# KiCad board keyboard.kicad_pcb
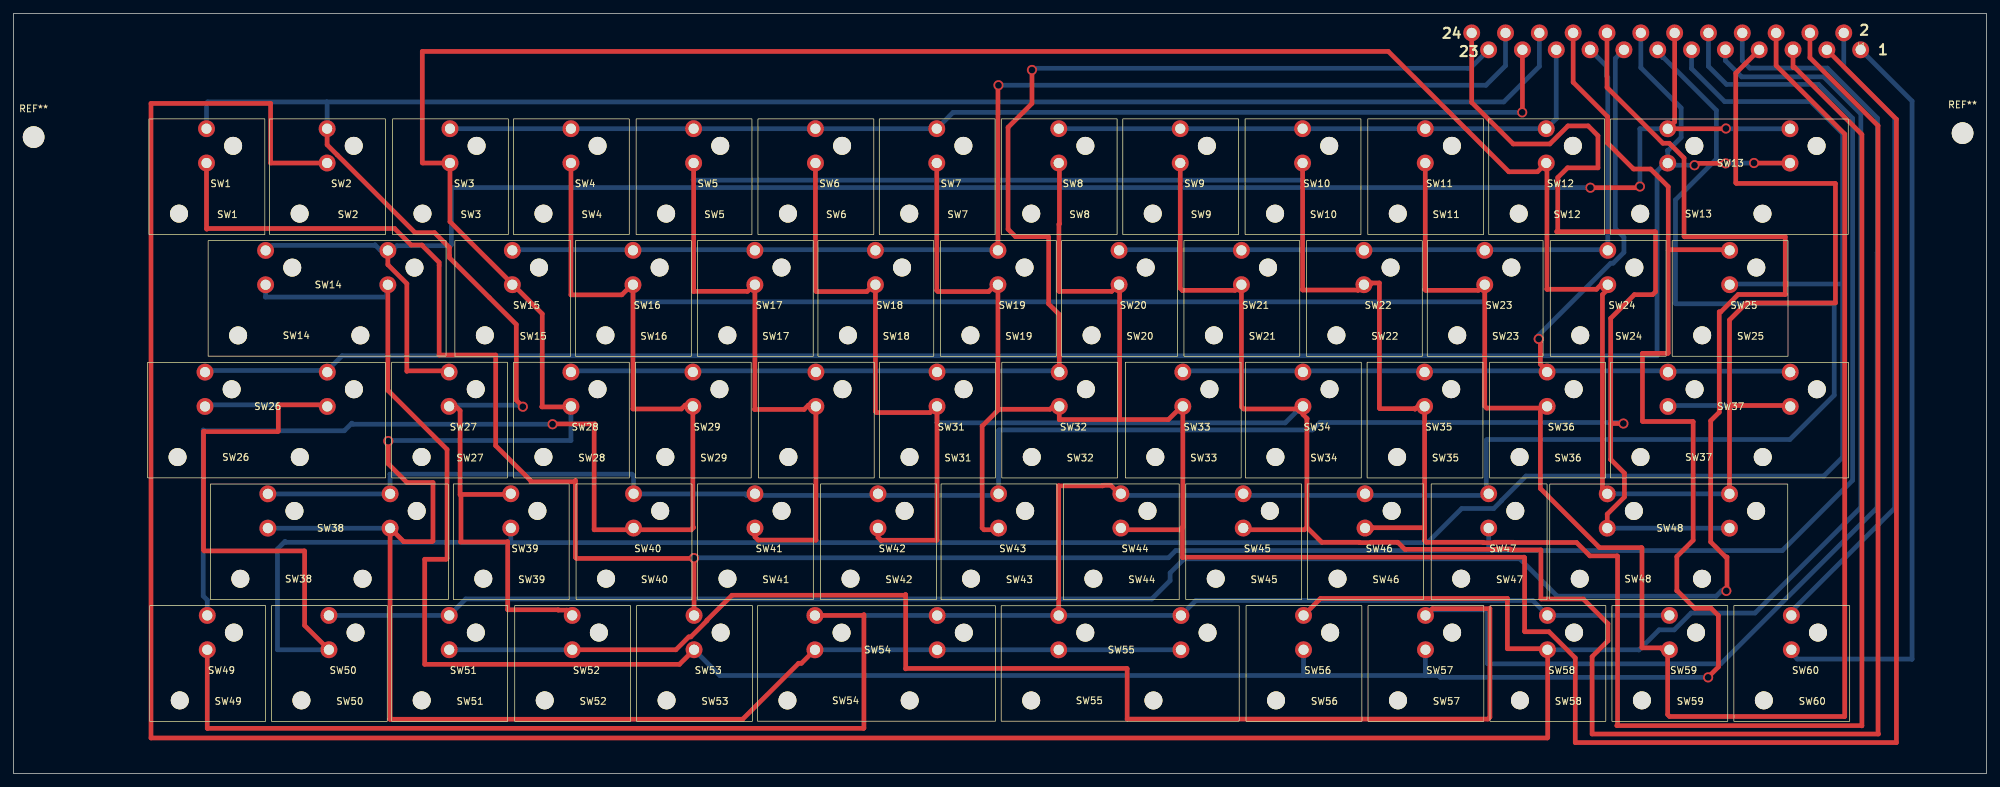
[diagram p0: board, top side]
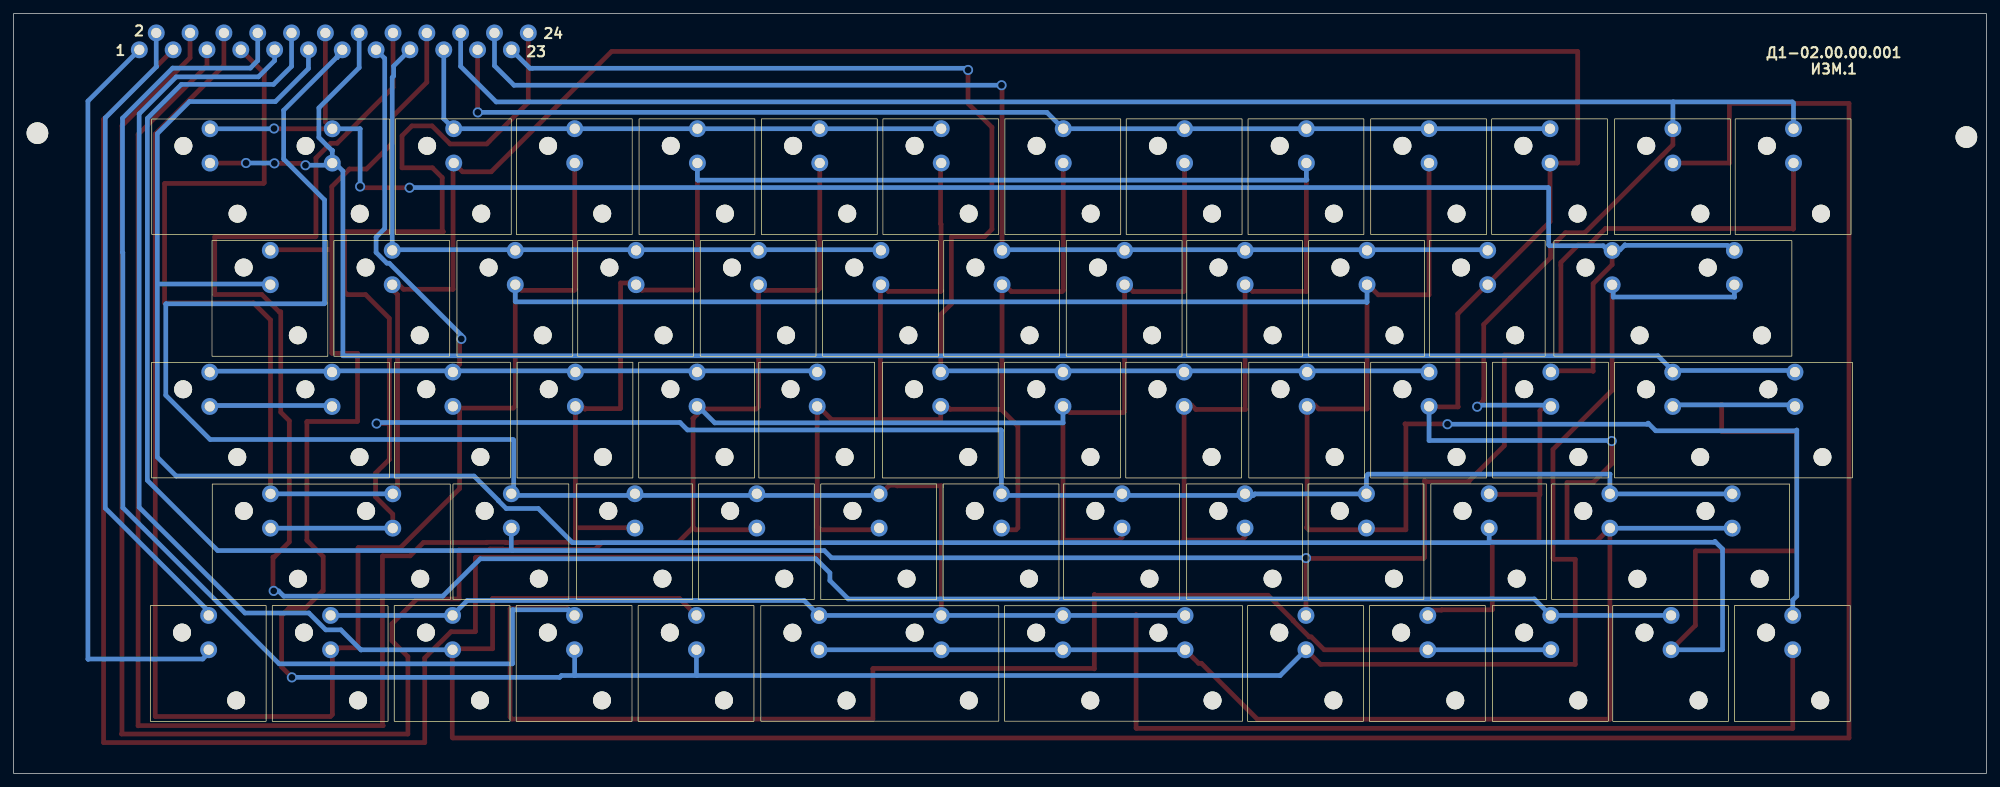
[diagram p1: board, bottom side, seen from below]

Outline 291.64 x 112.47 mm; copper layers: Top, Bottom. Coordinates in mm from the lower left corner of the outline.
Outline path: rectangle 0,112.47 291.64,0
Stack: Top 0.035mm / dielectric 1.51mm FR4 er 4.5 / Bottom 0.035mm

## Placement (name value [footprint] x y rotation side)
J1  Conn_02x12_Odd_Even  [connector]  273.05 107.1 0 top
REF**  -  [MountingHole_3.2mm_M3]  2.97 94.18 0 top
REF**#2  -  [MountingHole_3.2mm_M3]  288.11 94.77 0 top
SW1  true video  [key]  28.46 88.32 0 top
SW2  inverted video  [key]  46.29 88.32 0 top
SW3  1  [key]  64.45 88.32 0 top
SW4  2  [key]  82.33 88.32 0 top
SW5  3  [key]  100.47 88.32 0 top
SW6  4  [key]  118.48 88.32 0 top
SW7  5  [key]  136.41 88.32 0 top
SW8  6  [key]  154.44 88.32 0 top
SW9  7  [key]  172.4 88.32 0 top
SW10  8  [key]  190.49 88.32 0 top
SW11  9  [key]  208.62 88.32 0 top
SW12  0  [key]  226.5 88.32 0 top
SW13  Break  [double_key]  244.46 88.3 0 top
SW14  delete  [double_key]  37.2 70.3 0 top
SW15  q  [key]  73.67 70.31 0 top
SW16  w  [key]  91.5 70.31 0 top
SW17  e  [key]  109.52 70.31 0 top
SW18  r  [key]  127.34 70.31 0 top
SW19  t  [key]  145.45 70.31 0 top
SW20  y  [key]  163.36 70.31 0 top
SW21  u  [key]  181.44 70.31 0 top
SW22  i  [key]  199.56 70.31 0 top
SW23  o  [key]  217.41 70.31 0 top
SW24  p  [key]  235.6 70.31 0 top
SW25  graph  [key]  253.62 70.31 0 top
SW26  extended mode  [double_key]  28.24 52.29 0 top
SW27  edit  [key]  64.33 52.3 0 top
SW28  a  [key]  82.33 52.3 0 top
SW29  s  [key]  100.36 52.3 0 top
SW30  d  [key]  118.54 52.3 0 top
SW31  f  [key]  136.45 52.3 0 top
SW32  g  [key]  154.52 52.3 0 top
SW33  h  [key]  172.78 52.3 0 top
SW34  j  [key]  190.54 52.3 0 top
SW35  k  [key]  208.52 52.3 0 top
SW36  l  [key]  226.63 52.3 0 top
SW37  enter  [double_key]  244.5 52.29 0 top
SW38  caps shift left  [double_key]  37.53 34.28 0 top
SW39  caps lock  [key]  73.44 34.29 0 top
SW40  z  [key]  91.59 34.29 0 top
SW41  x  [key]  109.54 34.29 0 top
SW42  c  [key]  127.72 34.29 0 top
SW43  v  [key]  145.54 34.29 0 top
SW44  b  [key]  163.63 34.29 0 top
SW45  n  [key]  181.71 34.29 0 top
SW46  m  [key]  199.72 34.29 0 top
SW47  dot  [key]  218 34.29 0 top
SW48  caps shift right  [double_key]  235.52 34.28 0 top
SW49  symbol shift left  [key]  28.57 16.28 0 top
SW50  semicolon  [key]  46.56 16.28 0 top
SW51  quotes  [key]  64.34 16.28 0 top
SW52  left  [key]  82.52 16.28 0 top
SW53  right  [key]  100.53 16.28 0 top
SW54  left space  [double_key]  118.4 16.27 0 top
SW55  right space  [double_key]  154.43 16.27 0 top
SW56  up  [key]  190.63 16.28 0 top
SW57  down  [key]  208.65 16.28 0 top
SW58  comma  [key]  226.68 16.28 0 top
SW59  symbol shift right  [key]  244.71 16.28 0 top
SW60  rus-lat  [key]  262.74 16.28 0 top

## Library data of the parts
J1 = -: Description: Generic connector, double row, 02x12, odd/even pin numbering scheme (row 1 odd numbers, row 2 even numbers), script generated (kicad-library-utils/schlib/autogen/connector/)
SW1-SW60 = -: Description: Push button switch, generic, two pins

## Footprints (pads in the part's own frame, mm; a bottom-side part is the same pattern mirrored in y, then rotated)
connector
  round 2.5 hole 1.5: 1(0,0) 2(-2.5,2.5) 3(-5,0) 4(-7.5,2.5) 5(-10,0) 6(-12.5,2.5) 7(-15,0) 8(-17.5,2.5) 9(-20,0) 10(-22.5,2.5) 11(-25,0) 12(-27.5,2.5) 13(-30,0) 14(-32.5,2.5) 15(-35,0) 16(-37.5,2.5) 17(-40,0) 18(-42.5,2.5) 19(-45,0) 20(-47.5,2.5) 21(-50,0) 22(-52.5,2.5) 23(-55,0) 24(-57.5,2.5)
double_key
  round 2.652 hole 3.1 unplated: (-4,-5.461) (4,4.572) (14.072,-5.461) (22.073,4.572)
  round 2.5 hole 1.5: 1(0.064,2.032) 1(18.136,2.032) 2(0.064,7.112) 2(18.136,7.112)
key
  round 2.652 hole 3.1 unplated: (-4,-5.461) (4,4.572)
  round 2.5 hole 1.5: 1(0.064,2.032) 2(0.064,7.112)
MountingHole_3.2mm_M3
  round 3.2 hole 3.2 unplated: (0,0)

## Nets
Net-(J1-Pin_1): J1.1 SW60.1
Net-(J1-Pin_2): J1.2 SW60.2
Net-(J1-Pin_3): J1.3 SW7.1 SW8.1 SW19.1 SW20.1 SW32.1 SW33.1 SW43.1 SW44.1
Net-(J1-Pin_4): J1.4 SW6.1 SW9.1 SW18.1 SW21.1 SW31.1 SW34.1 SW42.1 SW45.1
Net-(J1-Pin_5): J1.5 SW5.1 SW10.1 SW17.1 SW22.1 SW30.1 SW35.1 SW41.1 SW46.1
Net-(J1-Pin_6): J1.6 SW4.1 SW11.1 SW16.1 SW23.1 SW29.1 SW36.1 SW40.1 SW49.2 SW59.1
Net-(J1-Pin_7): J1.7 SW3.1 SW12.1 SW15.1 SW24.1 SW28.1 SW37.1 SW38.1 SW48.2 SW54.1 SW55.1
Net-(J1-Pin_8): J1.8 SW51.1 SW52.1 SW57.2
Net-(J1-Pin_9): J1.9 SW2.1 SW56.2 SW58.1
Net-(J1-Pin_10): J1.10 SW1.1 SW47.1 SW53.2
Net-(J1-Pin_11): J1.11 SW25.1 SW26.1 SW39.1 SW50.1
Net-(J1-Pin_12): J1.12 SW13.2 SW14.2 SW27.2
Net-(J1-Pin_13): J1.13 SW44.2 SW45.2 SW46.2 SW47.2 SW49.1 SW54.2 SW55.2 SW58.2 SW59.2
Net-(J1-Pin_14): J1.14 SW13.1 SW26.2
Net-(J1-Pin_15): J1.15 SW33.2 SW34.2 SW35.2 SW36.2 SW37.2
Net-(J1-Pin_16): J1.16 SW50.2 SW51.2
Net-(J1-Pin_17): J1.17 SW20.2 SW21.2 SW22.2 SW23.2 SW24.2
Net-(J1-Pin_18): J1.18 SW14.1 SW25.2 SW53.1 SW56.1 SW57.1
Net-(J1-Pin_19): J1.19 SW8.2 SW9.2 SW10.2 SW11.2 SW12.2
Net-(J1-Pin_20): J1.20 SW1.2 SW2.2 SW27.1 SW39.2 SW52.2
Net-(J1-Pin_21): J1.21 SW3.2 SW4.2 SW5.2 SW6.2 SW7.2
Net-(J1-Pin_22): J1.22 SW15.2 SW16.2 SW17.2 SW18.2 SW19.2
Net-(J1-Pin_23): J1.23 SW28.2 SW29.2 SW30.2 SW31.2 SW32.2
Net-(J1-Pin_24): J1.24 SW38.2 SW40.2 SW41.2 SW42.2 SW43.2 SW48.1

## Via types
v1: diameter 1.5, hole 1, Top to Bottom, 17 vias

## Routing (per net, layer and track width the routed paths; a pad name or vN(x,y) marks a point on that pad's centre or on a via; arc(x,y) is an arc through that point)
Net-(J1-Pin_1): length 112
  Bottom w0.7: SW60.1 262.8,17.82 263.68,16.94 280.59,16.94 280.62,16.92 280.64,16.94 280.64,99.5 J1.1
Net-(J1-Pin_2): length 95.7
  Bottom w0.7: SW60.2 262.8,23.99 278.08,39.27 278.08,97.03 270.51,104.6 270.55,104.64 J1.2
Net-(J1-Pin_3): length 416.3
  Top w0.7: 145.61,36.07 143.46,36.07 143.18,36.35 143.18,51.41 145.67,53.9 ; 172.77,36.4 172.44,36.07 163.69,36.07 ; 172.77,36.4 172.85,36.47 172.85,54.51 170.71,52.37 163.45,52.37 ; 172.77,36.4 172.8,36.37 172.8,31.98 172.82,32 223.29,32 223.37,31.93 223.37,21.03 223.42,20.98 226.97,20.98 230.86,17.09 230.86,4.57 278.33,4.57 278.33,96.82 J1.3 ; 145.67,53.9 153.21,53.9 153.82,54.51 154.58,54.51 154.58,52.4 154.61,52.37 163.45,52.37 ; 145.67,53.9 145.52,54.05 145.52,72.44 145.26,72.44 144.15,71.32 136.65,71.32 136.47,71.5 SW7.1 ; 163.45,52.37 163.5,52.43 163.5,71.35 163.42,71.42 163.42,72.44 162.33,71.35 154.58,71.35 154.51,71.42 154.53,71.45 154.53,81.28 154.61,81.36 154.61,89.89 154.51,89.99 SW8.1
Net-(J1-Pin_4): length 450.5
  Top w0.7: SW6.1 118.54,71.45 118.67,71.32 126.14,71.32 127.25,72.44 127.41,72.44 127.41,53.59 127.58,53.42 135.48,53.42 136.51,54.44 136.51,54.51 136.51,34.58 136.45,34.52 128.22,34.52 127.79,34.95 127.79,36.07 ; 181.78,36.07 190.83,36.07 191.19,36.42 ; J1.4 265.55,105.93 275.62,95.86 275.62,5.89 275.67,5.84 233.35,5.84 233.35,17.3 235.69,19.63 235.69,22.17 232.03,25.83 225.83,25.83 225.78,25.88 225.78,33.09 221.33,33.09 221.2,33.21 219.31,33.21 219.26,33.17 205.67,33.17 204.62,34.22 200.62,34.22 200.57,34.17 199,34.17 198.95,34.22 193.39,34.22 191.19,36.42 ; 191.19,36.42 191.19,52.5 191.21,52.53 190.6,53.14 190.6,54.51 190.04,53.95 181.84,53.95 181.51,54.28 181.51,72.44 180.57,71.5 172.82,71.5 172.8,71.48 172.47,71.81 SW9.1
  Bottom w0.7: 136.51,54.51 136.51,51.9 136.5,51.89 187.99,51.89 190.6,54.51
Net-(J1-Pin_5): length 462.2
  Top w0.7: SW10.1 190.55,71.58 190.58,71.55 198.7,71.55 198.76,71.5 199.62,72.36 199.62,72.44 200.63,72.44 200.79,72.59 201.9,72.59 201.9,54.08 201.98,54 207.09,54 207.16,53.92 207.75,54.51 208.58,54.51 208.58,36.37 ; 109.6,36.07 109.6,35.03 110.08,34.54 118.62,34.54 118.61,34.56 118.61,54.51 117.5,54.51 116.87,53.87 109.55,53.87 109.59,53.91 109.59,72.44 108.5,71.35 100.51,71.35 100.53,71.37 SW5.1 ; 208.58,36.37 200.96,36.37 200.66,36.07 199.78,36.07 ; 208.58,36.37 208.58,34.52 208.56,34.49 208.83,34.22 217.22,34.22 217.27,34.17 218.85,34.17 218.9,34.22 221.71,34.22 221.74,34.19 231.04,34.19 233.02,32.21 237.06,32.21 237.11,32.16 237.11,7.19 237.01,7.09 273.2,7.09 273.23,7.06 273.23,94.56 263.27,104.52 263.07,104.52 263.05,104.54 J1.5
  Bottom w0.7: SW10.1 190.55,87.86 190.5,87.81 100.53,87.81 100.46,87.88 100.53,87.96 SW5.1
Net-(J1-Pin_6): length 570
  Top w0.7: SW4.1 82.4,70.84 89.92,70.84 91.52,72.44 91.57,72.44 91.57,53.95 98.73,53.95 99.29,54.51 100.42,54.51 100.42,36.49 100.51,36.4 100.18,36.07 85.85,36.07 85.83,36.09 85.83,51.61 85.95,51.74 79.73,51.74 v1(79.68,51.69) ; SW11.1 208.69,71.73 208.61,71.65 208.76,71.5 216.54,71.5 217.47,72.44 217.47,54.36 217.75,54.08 226.26,54.08 226.7,54.51 225.7,53.52 225.7,42.16 234.44,33.43 240.67,33.43 240.72,33.38 240.72,18.64 240.77,18.59 243.51,18.59 243.79,18.31 244.51,18.31 244.51,8.72 244.81,8.43 270.66,8.43 270.69,8.46 270.69,94.64 260.55,104.78 J1.6
  Bottom w0.7: 217.47,72.44 217.47,69.85 217.42,69.8 91.67,69.8 91.59,69.72 91.57,69.75 91.57,72.44 ; v1(79.68,51.69) 50.16,51.69 50.01,51.84 48.89,50.72 28.14,50.72 28.04,50.83 28.04,26.26 28.64,25.67 SW49.2
Net-(J1-Pin_7): length 668.3
  Top w0.7: SW48.2 234.87,42.1 234.87,70.87 235.66,71.65 235.66,72.44 234.77,72.44 233.98,71.65 226.7,71.65 226.67,71.68 226.67,90.25 SW12.1 225.27,89.05 221.03,89.05 203.23,106.86 60.43,106.86 60.43,90.4 60.48,90.35 SW3.1 64.52,81.66 78.16,68.02 78.16,54.33 78.11,54.28 78.13,54.25 82.14,54.25 82.4,54.51 ; 253.66,54.53 253.66,67.12 256.18,69.65 269.32,69.65 269.32,87.27 269.27,87.33 254.69,87.33 254.58,87.43 254.58,103.64 J1.7 ; 253.66,54.53 SW48.2 ; 253.66,54.53 253.73,54.46 262.64,54.46 ; v1(55.4,49.2) 55.4,45.82 58.17,43.05 62,43.05 62,34.44 61.87,34.32 57.68,34.32 55.7,36.3 55.66,36.3 55.66,8.04 55.65,8.03 107.77,8.03 116.05,16.31 116.46,16.31 118.47,18.31
  Bottom w0.7: 82.4,54.51 82.4,49.28 55.47,49.28 v1(55.4,49.2) ; SW48.2 SW48.2 ; 172.57,18.31 118.47,18.31 ; 262.64,54.46 244.56,54.46 ; 55.66,36.3 37.59,36.3
Net-(J1-Pin_8): length 371.8
  Top w0.7: SW52.1 97.91,18.31 99.81,20.21 100.1,20.21 102.5,22.61 102.5,22.68 106.19,26.38 131.76,26.38 131.85,26.47 131.88,26.44 131.88,15.49 131.93,15.54 164.57,15.54 164.62,15.49 164.62,8.05 217.96,8.05 218.24,8.33 218.24,24.41 218.21,24.38 209.75,24.38 208.76,23.39 208.7,23.39
  Bottom w0.7: SW51.1 SW52.1 ; J1.8 255.55,105.49 256.64,104.39 268.12,104.39 275.54,96.98 275.54,77.14 275.49,77.09 275.49,39.34 252.37,16.23 217.93,16.23 217.88,16.28 217.88,24.21 217.86,24.23 209.54,24.23 208.7,23.39
Net-(J1-Pin_9): length 531
  Top w0.7: SW2.1 38,90.35 38,99.14 37.97,99.16 20.32,99.16 20.32,5.26 226.72,5.26 226.78,5.32 226.78,18.31 226.52,18.31 226.36,18.47 220.83,18.47 220.83,25.91 193.21,25.91 SW56.2
  Bottom w0.7: 226.78,18.31 240.26,18.31 240.28,18.29 243.26,21.26 245.49,21.26 247.98,23.75 257.43,23.75 273.08,39.4 273.08,97.61 267.59,103.1 255.45,103.1 253.05,105.5 J1.9
Net-(J1-Pin_10): length 395.6
  Top w0.7: SW1.1 28.52,80.62 28.57,80.57 28.66,80.65 56.33,80.65 58.78,78.21 60.35,78.21 62.92,75.64 62.92,61.93 71.27,61.93 71.27,48.51 76.5,43.28 76.5,43.18 82.91,43.18 83.06,43.33 83.06,31.98 83.21,31.83 100.51,31.83 100.61,31.93 100.6,31.92 100.6,31.89 v1(100.58,31.88) 100.6,31.86 SW53.2
  Bottom w0.7: 217.93,32.99 261.47,32.99 271.86,43.38 271.86,96.95 266.83,101.98 253.21,101.98 250.55,104.65 J1.10 ; 217.93,32.99 171.81,32.99 170.74,31.93 100.61,31.93 ; 217.93,32.99 218.06,33.12 218.06,36.07
Net-(J1-Pin_11): length 444.4
  Top w0.7: 46.38,54.56 39.19,54.56 39.14,54.61 39.14,50.67 39.07,50.6 28.12,50.6 28.09,50.62 28.09,33.05 28.19,32.94 42.98,32.94 43.03,32.89 43.03,21.91 SW50.1
  Bottom w0.7: SW50.1 39.01,18.31 39.01,33.22 40.13,34.34 40.25,34.22 73.53,34.22 ; 73.51,36.22 73.51,34.24 73.53,34.22 ; 270.38,72.54 270.38,94.69 265.63,99.44 252.93,99.44 248.05,104.33 J1.11 ; 270.38,72.54 270.28,72.44 253.68,72.44 ; 270.38,72.54 270.38,46.81 267.59,44.02 223.57,44.02 219.96,40.41 219.96,40.36 218.82,39.22 214.07,39.22 209.02,34.16 73.59,34.16 73.53,34.22 ; 28.31,54.56 46.38,54.56
Net-(J1-Pin_12): length 283.3
  Top w0.7: v1(253.14,95.45) 253.1,95.42 SW13.2 245.55,96.44 J1.12 ; 55.33,77.51 55.33,75.3 58.14,72.49 58.14,59.54 58.19,59.59 64.39,59.59 ; v1(233.1,86.69) 240.23,86.69 v1(240.41,86.87)
  Bottom w0.7: v1(253.14,95.45) 253.17,95.42 SW13.2 ; 37.26,77.51 37.66,77.51 38.3,78.16 53.37,78.16 53.44,78.23 54.17,77.51 56.05,77.51 56.64,78.1 64.59,78.1 64.72,78.23 64.72,86.64 64.8,86.72 233.07,86.72 v1(233.1,86.69) ; SW13.2 240.42,95.42 240.41,95.4 v1(240.41,86.87)
Net-(J1-Pin_13): length 487.3
  Top w0.7: 154.5,23.39 154.5,42.56 154.48,42.57 161.01,42.57 161.09,42.65 162.19,42.65 163.69,41.15 ; 118.47,23.39 125.6,23.39 125.7,23.5 125.7,6.73 125.65,6.68 28.65,6.68 28.64,6.69 SW49.1
  Bottom w0.7: 163.69,41.15 218.06,41.15 218.06,41.96 217.7,42.32 217.7,49.33 217.81,49.43 262.59,49.43 269.14,55.98 269.14,69.47 269.09,69.52 245.72,69.52 245.62,69.62 245.67,69.67 245.67,84.89 251.71,90.93 251.71,98.15 243.92,105.94 243.79,105.94 243.79,106.36 J1.13 ; 118.47,23.39 172.57,23.39 174.78,25.6 224.57,25.6 226.78,23.39 244.51,23.39
Net-(J1-Pin_14): length 285.9
  Top w0.7: SW13.1 257.29,90.34 v1(257.28,90.35) ; v1(248.49,90.02) 248.77,90.3 v1(253.09,90.3)
  Bottom w0.7: v1(248.49,90.02) 244.84,90.02 SW13.1 ; SW13.1 244.13,90.34 242.95,89.15 242.95,61.82 48.56,61.82 46.38,59.64 28.31,59.64 ; SW13.1 244.53,92.18 244.5,92.2 244.58,92.2 246.51,94.13 246.51,98.5 240.55,104.46 J1.14 ; v1(253.09,90.3) 253.14,90.35 v1(257.28,90.35)
Net-(J1-Pin_15): length 144.3
  Top w0.7: v1(225.45,64.31) 225.7,64.06 225.7,60.58 226.7,59.59
  Bottom w0.7: 262.64,59.54 244.56,59.54 244.51,59.59 172.85,59.59 ; J1.15 236.78,105.83 236.78,80.64 238.05,79.38 238.05,77.12 236.45,75.52 236.1,75.52 225.45,64.87 v1(225.45,64.31)
Net-(J1-Pin_16): length 326
  Top w0.7: v1(253.19,27.03) 253.29,27.13 253.29,32.03 253.11,32.03 250.88,34.26 250.88,52.2 252.15,53.47 252.15,68.33 252.37,68.33 254.94,70.89 261.9,70.89 261.9,79.43 247.02,79.43 246.94,79.5 246.94,91.08 244.75,93.27 243.81,93.27 235.55,101.54 J1.16
  Bottom w0.7: v1(253.19,27.03) 252.48,27.03 251.69,26.24 228.19,26.24 222.66,31.78 173.05,31.78 170.97,29.69 170.97,28.55 168.25,25.83 66.84,25.83 SW51.2 SW50.2
Net-(J1-Pin_17): length 102.9
  Bottom w0.7: 163.42,77.52 235.66,77.52 235.66,103.02 235.46,103.23 235.46,104.69 J1.17
Net-(J1-Pin_18): length 413.1
  Top w0.7: 55.33,72.43 55.33,56.71 64.08,47.96 64.08,31.85 63.93,31.7 60.78,31.7 60.78,16.15 98.44,16.15 SW53.1 ; 250.8,14.55 252.02,15.77 252.02,23.37 250.95,24.43 248.54,24.43 245.95,27.03 245.87,27.03 245.87,32.11 248.28,34.52 248.28,52.04 248.23,52.1 240.84,52.1 240.79,52.15 240.79,62.18 244.55,62.18 244.6,62.23 244.6,77.39 ; 244.6,77.39 244.73,77.52 253.68,77.52 ; 244.6,77.39 244.6,86.84 241.99,89.46 239.47,89.46 235.64,93.29 235.64,97.21 230.55,102.29 J1.18
  Bottom w0.7: 190.58,14.5 190.69,14.62 SW56.1 ; 190.58,14.5 104.41,14.5 SW53.1 ; 190.58,14.5 208.69,14.5 ; 208.69,14.5 210.64,14.5 210.92,14.22 v1(250.49,14.22) ; 208.69,14.5 208.7,14.52 208.7,18.31 ; 55.33,72.43 55.17,72.26 55.17,70.51 37.24,70.51 37.26,70.54 37.26,72.43
Net-(J1-Pin_19): length 84.3
  Bottom w0.7: J1.19 228.05,96.91 SW12.2 SW11.2 SW10.2 SW9.2 SW8.2
Net-(J1-Pin_20): length 333.7
  Top w0.7: 64.39,54.51 65.2,54.51 66.01,53.7 66.01,41.27 66.07,41.22 66.14,41.3 ; SW52.2 81.8,24.18 80.54,24.18 80.49,24.23 73.08,24.23 73.05,24.26 73.05,34.29 73.02,34.26 66.09,34.26 66.14,34.32 66.14,41.3 ; v1(75.29,54.28) 74.32,55.25 74.32,66.45 64.44,76.33 64.44,77.83 62.23,80.04 59.36,80.04 46.35,93.04 SW2.2 ; 66.14,41.3 73.51,41.3
  Bottom w0.7: 46.3,99.39 46.35,99.34 SW2.2 ; 46.3,99.39 220.29,99.39 225.55,104.64 J1.20 ; 46.3,99.39 28.7,99.39 28.52,99.21 SW1.2 ; v1(75.29,54.28) 75.06,54.51 64.39,54.51
Net-(J1-Pin_21): length 168.8
  Top w0.7: v1(223.01,97.84) 223.05,97.88 J1.21
  Bottom w0.7: v1(223.01,97.84) 138.89,97.84 SW7.2 SW6.2 SW5.2 SW4.2 SW3.2
Net-(J1-Pin_22): length 177.2
  Top w0.7: 145.52,77.52 145.52,101.78 v1(145.59,101.85)
  Bottom w0.7: 73.74,77.52 145.52,77.52 ; J1.22 220.55,104.75 217.65,101.85 v1(145.59,101.85)
Net-(J1-Pin_23): length 192.9
  Top w0.7: 154.58,59.59 154.58,67.92 153.01,69.49 153.01,79.38 152.93,79.45 148.11,79.45 147.02,80.54 147.02,95.63 150.55,99.16 v1(150.55,104.11)
  Bottom w0.7: v1(150.55,104.11) 150.8,104.37 215.32,104.37 J1.23 ; 82.4,59.59 154.58,59.59
Net-(J1-Pin_24): length 353.9
  Top w0.7: SW48.1 235.59,38.38 238.12,40.92 238.12,44.45 236.12,46.46 236.09,46.46 236.09,51.77 ; J1.24 215.55,99.31 221.69,93.17 227.1,93.17 229.77,95.83 232.77,95.83 234.21,94.39 234.21,89.64 229.72,89.64 228.27,88.19 228.27,80.34 228.12,80.19 242.67,80.19 242.72,80.14 242.72,71.3 242.29,70.87 239.6,70.87 236.09,67.36 236.09,51.77 ; 236.09,51.77 236.12,51.79 v1(237.97,51.79)
  Bottom w0.7: 37.59,41.38 55.66,41.38 55.66,44.28 55.65,44.3 91.41,44.3 91.66,44.06 91.66,41.15 92.46,41.15 92.68,41.38 108.15,41.38 108.38,41.15 145.61,41.15 145.61,50.76 145.69,50.84 192.02,50.84 193.12,51.94 237.82,51.94 v1(237.97,51.79) ; SW48.1 SW48.1

## Text on the board
B.Silkscreen: 24 | 23 | 2 | 1 | Д1-02.00.00.001 / ИЗМ.1
F.Silkscreen: 24 | 23 | 2 | 1
